# Altium PCB PCB1.PcbDoc (part 1 of 9) (continued)
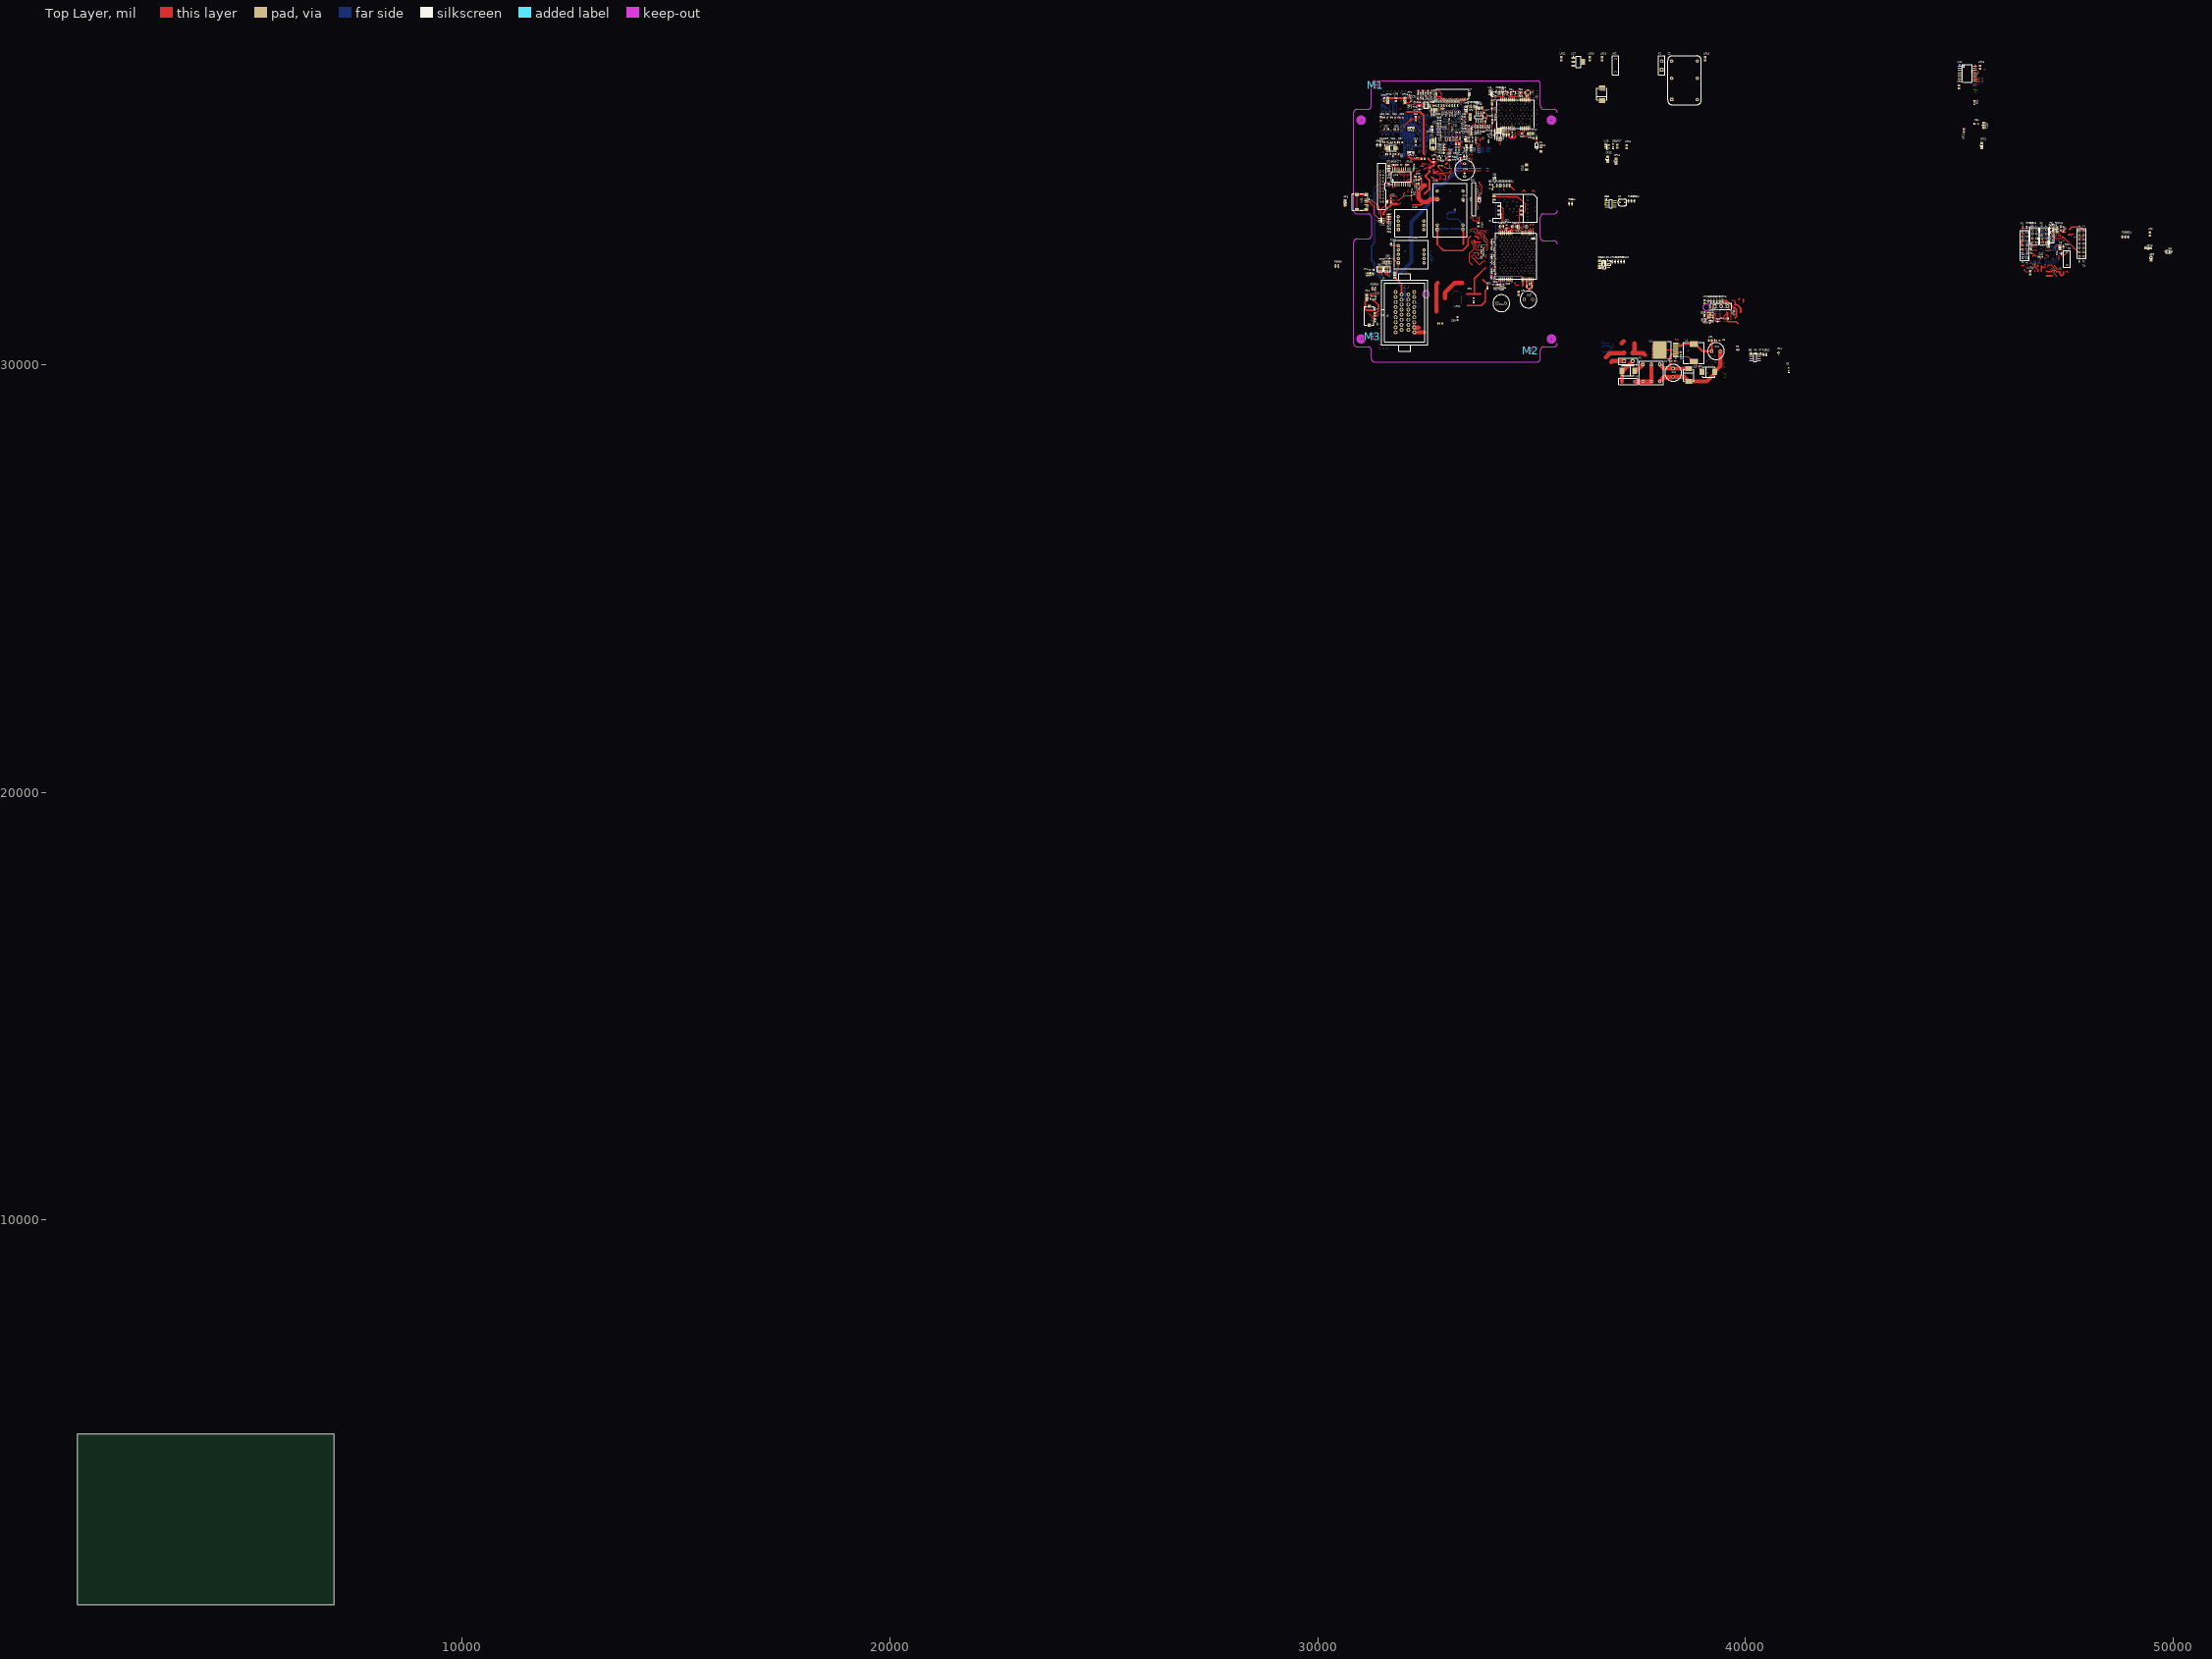
[diagram p0: Top Layer view]
## Components (designator, comment, footprint, x,y, rotation, side; value= is the part's Value field where it differs from the comment) (continued)
CP7 "TAJA106K016RNJ" 3216[1206]CB 33481.56,35072.43 r270 top
CP8 "TAJA106K016RNJ" 3216[1206]CB 47087.02,32830.46 r270 top
CP9 "TAJA106K016RNJ" 3216[1206]CB 49490,32501.22 r90 top
CP10 "TAJA106K016RNJ" 3216[1206]CB 49423,32736 r180 top
CP11 "TAJA106K016RNJ" 3216[1206]CB 34970.76,35413.53 r0 top
CP12 "TAJA106K016RNJ" 3216[1206]CB 34416.62,35385.97 r180 top
CP13 "TAJA106K016RNJ" 3216[1206]CB 32181.75,35539.28 r0 top
CP14 "TAJA106K016RNJ" 3216[1206]CB 32178.43,34960.77 r0 top
CP15 "TAJA106K016RNJ" 3216[1206]CB 32045.56,36192.07 r270 top
CP16 "TAJA106K016RNJ" 3216[1206]CB 31640.05,36191.09 r270 top
CP17 "TAJA106K016RNJ" 3216[1206]CB 31234.54,32134 r180 top
CP18 "TAJA106K016RNJ" 3216[1206]CB 33783.5,36010.2 r180 top
CP19 "TAJA106K016RNJ" 3216[1206]CB 31667.58,34596.05 r270 top
CP20 "TAJA106K016RNJ" 3216[1206]CB 31616.43,32398.76 r180 top
CP21 "TAJA106K016RNJ" 3216[1206]CB 45582,35605 r270 top
CP22 "TAJA106K016RNJ" 3216[1206]CB 45531.76,35136.65 r90 top
CP23 "TAJA106K016RNJ" 3216[1206]CB 36781,34815 r90 top
CP24 "TAJA106K016RNJ" 3216[1206]CB 36976,34762 r90 top
CP25 "10uF/16V" 3216[1206] 35222.72,35048.37 r270 top
CP26 "10uF/16V" 3216[1206] 34884.14,34622.19 r270 top
CT1 "TAJC107K016RNJ" 6032[2312]CC 32700.06,35159.04 r270 top
CT2 "TAJC107K016RNJ" 6032[2312]CC 31723.68,35071.44 r0 top
CT3 "TAJC107K016RNJ" 6032[2312]CC 34217.8,35393.84 r270 top
CT4 "TAJC107K016RNJ" 6032[2312]CC 34277.84,35392.86 r270 top
CV1 "EEU-FM1H271" CAPPR5-10X20/H1.1 38314.69,29816.87 r270 top
CV2 "EEU-FM1V221" CAPPR5-10X20/H1.1 39316.65,30322.77 r0 top
CV3 "EEUFC1A122" CAPPR5-10X20/H1.1 34931.39,31530.65 r0 top
CV4 "EEU-FM1H271" CAPPR5-10x20/H1.1 34296.54,31443.06 r0 top
D1 "IN5408" DO-214AB/SMC 37267.95,29865.65 r0 top
D2 "SS36-E3/57T" DO-214AB/SMC 39137.95,29835.65 r180 top
D3 "SMCJ48A-E3/57T" DO-214AB/SMC 38677.88,29766.67 r90 top
D4 "1N4148W-V-GS08" SOD123 35128.24,35133.02 r270 top
D5 "1N4148W-V-GS08" SOD123 49901,32652 r0 top
D6 "1N4148W-V-GS08" SOD123 34304.48,31805.26 r0 top
D7 "1N4148W-V-GS08" SOD123 33787.62,33867.7 r90 top
D8 "1N4148W-V-GS08" SOD123 34143.98,34340.69 r90 top
D11 "1N4148W-V-GS08" SOD123 36690.17,32365.12 r90 top
D12 "IN5408" DO-214AB/SMC 36651,36330 r270 top
F1 "72R090XU" FUS-0.2#1 37267.95,30090.65 r0 top
F2 "60R090XU" FUS-0.2#2 38049.62,37004.44 r90 top
J1 "2-6447232-3" 2-6447232-3 32041.62,31232.7 r270 top locked
J2 "MHF Plug" MHF[MCB3]-V4 34954.02,31837.74 r180 top
J3 "MUP-C745" MUP-C745 34236.5,33514.91 r90 top
J4 "MHF Plug" MHF[MCB3]-V4 34916.62,36360.38 r0 top
J5 "JTAG" IDC20S 31541.6,33822.43 r270 top
J6 "1-1734592-6" FFC/SM0.5-2H16 31273.91,31153.69 r270 top
J7 "FFC33" FFC/SM0.5-2H33 33156.62,36269.7 r180 top
L1 "B82477P4683M000" INDP125125X85N 38798.94,30284.39 r90 top
LR1 "MPZ2012S221A" 2012[0805] 39183.78,30575.73 r180 top
LR2 "MPZ2012S221A" 2012[0805] 32718.76,34778.14 r90 top
LR3 "MPZ2012S221A" 2012[0805] 49465,33064 r90 top
LR4 "MPZ2012S221A" 2012[0805] 46665.25,32157.9 r90 top
LR5 "MPZ2012S221A" 2012[0805] 34697.13,31675.34 r90 top
LR6 "MPZ2012S221A" 2012[0805] 35085.91,35308.21 r180 top
LR7 "MPZ2012S221A" 2012[0805] 32464.85,34821.99 r180 top
LR8 "MPZ2012S221A" 2012[0805] 31834.93,36204.87 r90 top
LR9 "MPZ2012S221A" 2012[0805] 33707.9,36009.45 r90 top
LR10 "MPZ2012S221A" 2012[0805] 33756.19,33283.61 r270 top
LR11 "MPZ2012S221A" 2012[0805] 33271.62,31082.7 r90 top
LR12 "MPZ2012S221A" 2012[0805] 45110,35484 r90 top
LR13 "MPZ2012S221A" 2012[0805] 45488.93,36962.13 r90 top
LR14 "MPZ2012S221A" 2012[0805] 44996.49,36505.12 r90 top
LR16 "MPZ2012S221A" 2012[0805] 37222,35107 r90 top
LR17 "MPZ2012S221A" 2012[0805] 37010.53,35116.13 r90 top
LR18 "MPZ2012S221A" 2012[0805] 39066.62,37162.44 r90 top
LR19 "MPZ2012S221A" 2012[0805] 36651.62,37162.44 r90 top
LR20 "MPZ2012S221A" 2012[0805] 36361.62,37162.44 r90 top
LR21 "MPZ2012S221A" 2012[0805] 35694.62,37162.44 r90 top
LRN1 "MPZ2012S221A" 2012[0805] 39052.55,31479.36 r90 top
M1 "MARK" MARK 31364,36547 r0 top
M2 "MARK" MARK 34983.55,30328.88 r0 top
M3 "MARK" MARK 31291.62,30668.85 r0 top
P1 "0-281272-1" HDR2X7 47816.35,33137.54 r270 top
P2 "Header 4X2" HDR2X4 46815.27,32862.87 r90 top
P3 "Header 4" HDR1X4 47171.01,32910.26 r90 top
P4 "0-281272-1" HDR2X7 46587.39,32501.22 r90 top
P5 "Header 4X2" HDR2X4 47043.14,32862.87 r90 top
Q1 "2N3904" SOT23_N 34071.31,34165.18 r0 top
Q2 "PDTC143ET,235" SOT23_N 34128.24,32870.22 r90 bottom
Q3 "PDTC143ET,235" SOT23_N 34128.24,32526.72 r90 bottom
Q4 "PDTC143ET,235" SOT23_N 34128.24,32187.15 r90 bottom
Q5 "2N3904" SOT23_N 34071.31,34165.18 r0 top
Q6 "PDTC143ET,235" SOT23_N 34120.36,36337.74 r180 top
Q7 "PDTC143ET,235" SOT23_N 34095.76,35429.28 r180 top
Q8 "MMBT3906LT1G" SOT23_N 34578.04,36362.35 r90 top
Q9 "MMBT3906LT1G" SOT23_N 34397.92,36365.3 r90 top
Q10 "SI2302CDS-T1-E3" SOT23_N 33298.49,34883.02 r180 top
Q11 "SI2302CDS-T1-E3" SOT23_N 31296.54,31567.07 r270 top
Q14 "2N3904" SOT23_N 36826.32,32386.83 r0 top
R1 "CRCW06031K00FKEA" 1608[0603]R 38048.94,30285.37 r0 bottom
R2 "CRCW06031M00FKEA" 1608[0603]R 37975.12,30105.25 r0 bottom
R3 "CRCW06031K00FKEA" 1608[0603]R 37944.61,30189.9 r90 bottom
R4 "CRCW0603100KFKEA" 1608[0603]R 37862.91,30105.25 r0 bottom
R5 "CRCW0603100KFKEA" 1608[0603]R 40131.45,30268.78 r0 top
R6 "CRCW060315K0FKEA" 1608[0603]R 40249.87,30268.78 r0 top
R7 "CRCW060315K0FKEA" 1608[0603]R 40368.3,30268.78 r0 top
R8 "CRCW06031M00FKEA" 1608[0603]R 39839.56,29784.61 r90 bottom
R9 "CRCW0603249KFKEA" 1608[0603]R 39826.29,30358.22 r0 top
R10 "CRCW060315K0FKEA" 1608[0603]R 40425.07,30243.19 r90 top
R11 "CRCW060310K0FKEA" 1608[0603]R 40780.11,30278.28 r90 top
R12 "CRCW060310K0FKEA" 1608[0603]R 40492.32,30243.19 r90 top
R13 "CRCW060310K0FKEA" 1608[0603]R 32926.46,35996.2 r180 top
R14 "CRCW0603300KFKEA" 1608[0603]R 34001.24,35232.11 r90 top
R15 "CRCW060310K0FKEA" 1608[0603]R 32637.25,36055.68 r90 top
R16 "CRCW060310K0FKEA" 1608[0603]R 47201.2,33159.2 r270 top
R17 "CRCW06031K00FKEA" 1608[0603]R 46591.57,33214.98 r90 top
R18 "CRCW06031K00FKEA" 1608[0603]R 46726.06,33214.98 r90 top
R19 "CRCW06031K00FKEA" 1608[0603]R 46658.81,33214.98 r90 top
R20 "CRCW06031K00FKEA" 1608[0603]R 48823.54,32995.87 r90 top
R21 "CRCW06031K00FKEA" 1608[0603]R 48890.78,32995.87 r90 top
R22 "CRCW06030000ZSTA" 1608[0603]R 47428.56,32836.36 r180 bottom
R23 "CRCW06030000ZSTA" 1608[0603]R 47428.56,32770.42 r180 bottom
R24 "CRCW0603300KFKEA" 1608[0603]R 48958.03,32995.87 r90 top
R25 "CRCW06031M00FKEA" 1608[0603]R 47400.02,32604.08 r270 top
R26 "CRCW06031M00FKEA" 1608[0603]R 47440.37,32758.61 r90 top
R27 "CRCW060310K0FKEA" 1608[0603]R 33588.87,35387.94 r180 top
R28 "CRCW060310K0FKEA" 1608[0603]R 33588.87,35561.17 r180 top
R29 "CRCW060310K0FKEA" 1608[0603]R 33588.87,35503.43 r180 top
R30 "CRCW060310K0FKEA" 1608[0603]R 33588.87,35445.68 r0 top
R31 "CRCW060322R0FKEA" 1608[0603]R 33907.76,34638.92 r180 bottom
R32 "CRCW060322R0FKEA" 1608[0603]R 33907.76,34505.06 r180 bottom
R33 "CRCW06031K00FKEA" 1608[0603]R 34292.41,34196.68 r90 top
R34 "CRCW06031K00FKEA" 1608[0603]R 34494.14,34196.68 r90 top
R35 "CRCW060310K0FKEA" 1608[0603]R 34426.9,34196.68 r90 top
R36 "CRCW060310K0FKEA" 1608[0603]R 34359.65,34196.68 r90 top
R37 "CRCW06030000ZSTA" 1608[0603]R 34899.89,33236.36 r270 top
R38 "CRCW060310K0FKEA" 1608[0603]R 34075.09,32725.54 r270 top
R39 "CRCW060310K0FKEA" 1608[0603]R 34076.07,32394.83 r270 top
R40 "CRCW060310K0FKEA" 1608[0603]R 34074.1,32048.37 r270 top
R41 "CRCW060310K0FKEA" 1608[0603]R 34193.67,34196.68 r90 top
R42 "CRCW060310K0FKEA" 1608[0603]R 34260.91,34196.68 r90 top
R43 "CRCW0603100KFKEA" 1608[0603]R 34153.83,31805.26 r180 top
R44 "CRCW060322R0FKEA" 1608[0603]R 34557.37,33236.36 r90 top
R45 "CRCW060322R0FKEA" 1608[0603]R 34340.83,33236.36 r90 top
R46 "CRCW060322R0FKEA" 1608[0603]R 34266.03,33236.36 r90 top
R47 "CRCW060310K0FKEA" 1608[0603]R 34082.96,35993.25 r270 top
R48 "CRCW060310K0FKEA" 1608[0603]R 34082.93,35832.95 r90 top
R49 "CRCW0603100KFKEA" 1608[0603]R 34787.69,35408.61 r270 top
R50 "CRCW06031K00FKEA" 1608[0603]R 33976.82,31803.96 r90 top
R51 "CRCW06031K00FKEA" 1608[0603]R 34188.72,36387.9 r90 top
R52 "CRCW060310K0FKEA" 1608[0603]R 34255.97,36387.9 r90 top
R53 "CRCW060322R0FKEA" 1608[0603]R 34741.43,36321.01 r180 top
R54 "CRCW060310K0FKEA" 1608[0603]R 34323.21,36387.9 r90 top
R55 "CRCW060310K0FKEA" 1608[0603]R 34741.43,36387.94 r180 top
R56 "CRCW0603100KFKEA" 1608[0603]R 34279.81,36365.3 r270 top
R57 "CRCW060310K0FKEA" 1608[0603]R 39054.36,31072.2 r180 top
R58 "CRCW060310K0FKEA" 1608[0603]R 39055.35,31021.02 r180 top
R59 "CRCW0603100KFKEA" 1608[0603]R 39202.79,31501.02 r90 top
R60 "CRCW06031M00FKEA" 1608[0603]R 39135.54,31501.02 r90 top
R61 "CRCW060310K0FKEA" 1608[0603]R 39270.03,31501.02 r90 top
R62 "CRCW06031K00FKEA" 1608[0603]R 39356.53,31022 r0 top
R63 "CRCW06031M00FKEA" 1608[0603]R 35884.25,33772.67 r90 top
R64 "CRCW06031K00FKEA" 1608[0603]R 35951.49,33772.67 r90 top
R65 "CRCW0603300KFKEA" 1608[0603]R 31665.61,33349 r0 top
R66 "CRCW060322R0FKEA" 1608[0603]R 31665.61,33407.07 r180 top
R67 "CRCW060322R0FKEA" 1608[0603]R 31665.61,33466.13 r180 top
R68 "CRCW06031K00FKEA" 1608[0603]R 31665.61,33524.2 r0 top
R69 "CRCW060310K0FKEA" 1608[0603]R 32351.64,36234.55 r270 top
R70 "CRCW060310K0FKEA" 1608[0603]R 32581.48,36234.55 r270 top
R71 "CRCW060310K0FKEA" 1608[0603]R 32462.88,36234.55 r270 top
R72 "CRCW060310K0FKEA" 1608[0603]R 32148.91,36307.23 r0 top
R73 "CRCW060310K0FKEA" 1608[0603]R 32148.91,36073.96 r0 top
R74 "CRCW060322R0FKEA" 1608[0603]R 32375.28,35981.44 r0 top
R75 "CRCW060322R0FKEA" 1608[0603]R 32375.28,36059.69 r0 top
R76 "CRCW06030000ZSTA" 1608[0603]R 33412,33851 r90 top
R77 "CRCW060322R0FKEA" 1608[0603]R 33487.46,34872.62 r270 top
R78 "CRCW060310K0FKEA" 1608[0603]R 33423.51,34872.19 r90 top
R79 "CRCW060310K0FKEA" 1608[0603]R 33087.86,34790.93 r180 top
R80 "CRCW060322R0FKEA" 1608[0603]R 33087.86,34878.04 r0 top
R81 "CRCW060310K0FKEA" 1608[0603]R 31393.16,35142.54 r90 top
R82 "CRCW060310K0FKEA" 1608[0603]R 32945.14,35087.85 r0 top
R83 "CRCW060310K0FKEA" 1608[0603]R 32945.14,34961.21 r0 top
R84 "CRCW060310K0FKEA" 1608[0603]R 32945.14,35151.17 r0 top
R85 "CRCW060310K0FKEA" 1608[0603]R 32945.14,35024.53 r0 top
R86 "CRCW06031K00FKEA" 1608[0603]R 31460.4,35142.54 r90 top
R87 "CRCW06031K00FKEA" 1608[0603]R 30416.11,32314.79 r90 top
R88 "CRCW06031K00FKEA" 1608[0603]R 30483.35,32314.79 r90 top
R89 "CRCW0603120RFKEA" 1608[0603]R 33087.86,34965.14 r180 top
R90 "CRCW06031K00FKEA" 1608[0603]R 33692.15,36031.1 r90 top
R91 "CRCW06031K00FKEA" 1608[0603]R 31684.34,34234.39 r270 top
R92 "CRCW060322R0FKEA" 1608[0603]R 31277.46,31785.26 r90 top
R93 "CRCW060310K0FKEA" 1608[0603]R 31344.7,31785.26 r90 top
R94 "CRCW06031K00FKEA" 1608[0603]R 33862.98,35576.14 r90 top
R95 "CRCW06031K00FKEA" 1608[0603]R 33744.38,35576.14 r90 top
R96 "CRCW060322R0FKEA" 1608[0603]R 33803.68,35576.14 r270 top
R97 "CRCW060322R0FKEA" 1608[0603]R 33685.08,35576.14 r270 top
R98 "CRCW060310K0FKEA" 1608[0603]R 33922.28,35576.14 r90 top
R99 "CRCW060310K0FKEA" 1608[0603]R 31781.75,34680.69 r180 top
R100 "CRCW060310K0FKEA" 1608[0603]R 32089.83,34682.66 r180 top
R101 "CRCW0603120RFKEA" 1608[0603]R 32392.02,31408.61 r270 bottom
R102 "CRCW060310K0FKEA" 1608[0603]R 32245.34,34570.46 r90 top
R103 "CRCW060310K0FKEA" 1608[0603]R 31721.74,32825.93 r270 top
R104 "CRCW06031K00FKEA" 1608[0603]R 32622.33,32687.15 r180 bottom
R105 "CRCW060322R0FKEA" 1608[0603]R 32622.33,32587.08 r180 bottom
R106 "CRCW0603120RFKEA" 1608[0603]R 32394.97,31172.39 r270 bottom
R107 "CRCW060322R0FKEA" 1608[0603]R 32622.33,32487.02 r180 bottom
R108 "CRCW06031K00FKEA" 1608[0603]R 32622.33,32386.95 r180 bottom
R117 "CRCW0603100KFKEA" 1608[0603]R 36963.99,32418.33 r90 top
R118 "CRCW0603120RFKEA" 1608[0603]R 36896.74,32418.33 r90 top
R119 "CRCW060315K0FKEA" 1608[0603]R 37031.23,32418.33 r90 top
R120 "CRCW060310KFKEA" 1608[0603]R 37165.72,32418.33 r90 top
R121 "CRCW06031K00FKEA" 1608[0603]R 37098.48,32418.33 r90 top
R122 "CRCW060315K0FKEA" 1608[0603]R 37273.86,33836.09 r90 top
R123 "CRCW060310K0FKEA" 1608[0603]R 37341.1,33836.09 r90 top
R124 "CRCW060310K0FKEA" 1608[0603]R 37408.35,33836.09 r90 top
RA1 "CRA06S08322R0JTA" R-AR4 33906.78,35048.37 r270 bottom
RA3 "CRA06S08322R0JTA" R-AR4 32471.11,35801.43 r270 bottom
RA4 "CRA06S08322R0JTA" R-AR4 32471.11,35634.37 r270 bottom
RA5 "CRA06S08322R0JTA" R-AR4 32471.11,35467.31 r270 bottom
RA6 "CRA06S08322R0JTA" R-AR4 32471.11,35300.25 r270 bottom
RA7 "CRA06S08322R0JTA" R-AR4 32471.11,35133.19 r270 bottom
RA8 "CRA06S08322R0JTA" R-AR4 32471.11,34966.13 r270 bottom
RA9 "CRA06S08322R0JTA" R-AR4 32540.64,36075.93 r270 top
RA10 "CRA06S08310K0JTA" R-AR4 31628.24,32244.24 r180 top
RA11 "CRA06S08310K0JTA" R-AR4 31459.93,32244.24 r180 top
RD1 "CRCW06030000ZSTA" 1608[0603]RD 32829.46,36067.11 r90 top
RD2 "CRCW06030000ZSTA" 1608[0603]RD 32892.89,36067.11 r90 top
RD3 "CRCW06030000ZSTA" 1608[0603]RD 32702.59,36067.11 r90 top
RD4 "CRCW06030000ZSTA" 1608[0603]RD 32766.02,36067.11 r90 top
RD5 "CRCW06030000ZSTA" 1608[0603]RD 32956.32,36067.11 r90 top
RD6 "CRCW06030000ZSTA" 1608[0603]RD 33210.06,36067.11 r90 top
RD7 "CRCW06030000ZSTA" 1608[0603]RD 33273.49,36067.11 r90 top
RD8 "CRCW06030000ZSTA" 1608[0603]RD 33146.62,36067.11 r90 top
RD9 "CRCW06030000ZSTA" 1608[0603]RD 33019.76,36067.11 r90 top
RD10 "CRCW06030000ZSTA" 1608[0603]RD 33083.19,36067.11 r90 top
RF1 "0805L050WR" 2012[0805]F 31807.37,32100.54 r270 top
RF2 "0805L050WR" 2012[0805]F 47284.95,33173.58 r90 top
RF3 "0805L050WR" 2012[0805]F 30643,33786 r270 top
RF4 "0805L050WR" 2012[0805]F 31150.87,31573.96 r90 top
RN1 "CRCW06031M00FKEA" 1608[0603]RN 46912.81,33293.06 r180 bottom
RN2 "CRCW060310K0FKEA" 1608[0603]RN 33591.28,36044.55 r90 top
RN3 "CRCW060310K0FKEA" 1608[0603]RN 33524.04,36044.55 r90 top
RN4 "CRCW060310K0FKEA" 1608[0603]RN 33725.77,36044.55 r90 top
RN5 "CRCW060310K0FKEA" 1608[0603]RN 33658.53,36044.55 r90 top
RN6 "CRCW060310K0FKEA" 1608[0603]RN 39471.77,31501.02 r90 top
RN7 "CRCW060310K0FKEA" 1608[0603]RN 39404.52,31501.02 r90 top
RN8 "CRCW060310K0FKEA" 1608[0603]RN 39337.28,31501.02 r90 top
RN9 "CRCW060322R0FKEA" 1608[0603]RN 32375.28,36137.94 r0 top
RN10 "CRCW06030000ZSTA" 1608[0603]RN 32670.56,36396.8 r90 top
RN11 "CRCW06030000ZSTA" 1608[0603]RN 32673.51,36237.35 r90 top
RN12 "CRCW060322R0FKEA" 1608[0603]RN 33877.03,35456.61 r180 top
S1 "SW-420" SW-420 47526,32484 r270 top
S2 "GM4526" GM4526 37127.68,33802.63 r0 top
U1 "LM2676S-5.0/NOPB" TS7B_N 38137.95,30350.65 r180 top
U2 "MAX931ESA" NSO8_N 40231.84,30174.1 r0 top
U3 "S3C2440X" BGA289 33126.24,35581.29 r270 bottom locked
U4 "MSP430F5438IPZ" TQFP100_N 46894.11,32743.84 r180 bottom
U5 "AS1360-33-T" SOT23_N 47423.69,33183.49 r0 top
U6 "M72-D" M72D 34642.02,32546.4 r270 top
U7 "SMF05CT1G" SOT363-6N 34680.4,33229.47 r180 top
U8 "LP5951MF-3.3/NOPB" MF05A_N 34064.39,36355.42 r0 top
U9 "EB-5662RE" EB-5662RE 34607.57,35868.25 r270 top
U10 "BQ24073TRGTT" BQ24073 39192.16,31173.57 r270 top
U11 "USBLC6-2SC6" SOT26A-6N 31496.32,33385.42 r180 top
U12 "K4S561632C-TC75 (32MB)" TSOP80P1180X120-54N 31887.75,35652.28 r270 bottom
U13 "K4S561632C-TC75 (32MB)" TSOP80P1180X120-54N 31884.75,35069.28 r270 bottom
U14 "HY27UF082G2B" TSOP48 31864.92,36200.01 r180 bottom locked
U15 "SD1209T3-A1" SPEAKER 33439.26,34560.18 r90 top locked
U16 "MAX811LEUS+T" SOT143_N 32951.05,34840.14 r90 top
U17 "AT24C64D-SSHM-T" SOIC8_N 33780.55,35798.58 r270 top
U18 "MCP2515-E/SO" SOIC18W_N 31957.94,34401.17 r90 top
U19 "CTM1051LA" DIP-7(8)W 32187.27,33315.54 r0 top
U20 "RSM485E" DIP-9(10)W 32189.23,32587.19 r0 top
U21 "ADUM2401ARWZ" SOIC16W_N 45193.34,36814.49 r0 top
U23 "MAX706TESA" NSO8_N 36703.51,32349.24 r0 top
U24 "MAX931ESA" NSO8_N 36855.51,33767 r0 top
U25 "LP5951MFX-1.3/NOPB" MF05A_N 36771.71,35105.31 r0 top
U26 "VRD240512MP-8W" DIP-7(24)W 33099,33619 r90 top
U27 "LM1117MPX-3.3/NOPB" MP04A_N 36098.62,37089.44 r0 top
US1 "USB-B" USB/SM0.8-6H5 30830.99,33808.21 r180 top
VR1 "MOV-10D390K" RAD-0.3 37267.95,29610.65 r0 top
VR2 "MOV-10D390K" RAD-0.3 36970.62,37004.44 r90 top
X1 "FC-135 32.7680KA-A" FC-135 33466.79,35279.12 r270 top
X2 "FA-238 16.0000MB-C3" FA-238 33091.79,35118.69 r90 bottom
X3 "FC-135 32.7680KA-A" FC-135 47358.68,32752.7 r90 top
X4 "FA-238 16.0000MB-C3" FA-238 46909.86,33179.87 r180 bottom
X5 "FA-238 16.0000MB-C3" FA-238 32337.86,34284.04 r270 top
Z1 "CXDA1-2-100" CXDA1-2-100 37607.95,30010.65 r270 top
Z2 "CXDC2-3-100" DIP-6(20)W 38578.62,36656.44 r0 top

## Footprints (in the part's own frame and the unit in brackets; to place one, negate y for a bottom-side part, rotate by r counter-clockwise, add the part's x,y. Pads: shape width x height; smd on the part's side, far side on the other; paste and mask are expansions set on the pad)
2-6447232-3 [mm]
  round 2.3 hole 1.3: 1(11.982,-5.5) 2(8.982,-5.5) 3(5.982,-5.5) 4(2.982,-5.5) 5(-0.018,-5.5) 6(-3.018,-5.5) 7(-6.018,-5.5) 8(-9.018,-5.5) 9(-12.018,-5.5) 10(10.482,-2) 11(7.482,-2) 12(4.482,-2) 13(1.482,-2) 14(-1.518,-2) 15(-4.518,-2) 16(-7.518,-2) 17(-10.518,-2) 18(10.482,2) 19(7.482,2) 20(4.482,2) 21(1.482,2) 22(-1.518,2) 23(-4.518,2) 24(-7.518,2) 25(-10.518,2) 26(11.982,5.5) 27(8.982,5.5) 28(5.982,5.5) 29(2.982,5.5) 30(-0.018,5.5) 31(-3.018,5.5) 32(-6.018,5.5) 33(-9.018,5.5) 34(-12.018,5.5)
  round 2.5 hole 2.5 unplated: ""(-15.153,0.893)
  silkscreen extent -23,-13.98 23,13.46
0805LED [mil]
  rect 45x50 smd: 1(-43.5,0) 2(43.5,0)
  silkscreen extent -5,-20 10,20, body extent -41,-18 41,18, height 33
1005[0402]C [mm] "Chip Capacitor; Body 1.0 x 0.5 mm (LxW typ)"
  rect 0.9x0.7 smd: 1(-0.65,0) 2(0.65,0)
  silkscreen extent -1.4,-0.25 -1.4,0.25
1608[0603] [mm] "Chip  Body 1.6x0.8mm, IPC Medium Density"
  rect 1.1x1 smd: 1(-0.85,0) 2(0.85,0)
  body extent -1.3,-0.5 1.3,0.5, height 0.53
1608[0603]C [mm]
  rect 0.9x1 smd: 1(-0.85,0) 2(0.85,0)
  silkscreen extent -1.7,-0.4 -1.7,0.4, body extent -1.3,-0.5 1.3,0.5, height 0.89
1608[0603]R [mm] "Chip Resistor, Body 1.6x0.8mm, IPC Medium Density"
  rect 0.7x0.9 smd: 1(-0.75,0) 2(0.75,0)
  silkscreen extent -0.2,-0.35 0.2,0.35, body extent -0.77,-0.42 0.78,0.43, height 0.45
1608[0603]RD [mm] "Chip Resistor, Body 1.6x0.8mm, IPC Medium Density"
  rect 0.7x0.9 smd: 1(-0.508,0) 2(0.508,0)
  silkscreen extent -0.15,0 0.13,0, body extent -0.77,-0.42 0.78,0.43, height 0.45
1608[0603]RN [mm] "Chip Resistor, Body 1.6x0.8mm, IPC Medium Density"
  rect 0.7x0.9 smd: 1(-0.75,0) 2(0.75,0)
  silkscreen extent -0.13,-0.38 0.13,0.38, body extent -0.77,-0.42 0.78,0.43, height 0.45
2012[0805] [mm] "Chip  Body 2.0x1.3mm, IPC Medium Density"
  rect 1.2x1.4 smd: 1(-0.9,0) 2(0.9,0)
  body extent -1.07,-0.7 1.07,0.7, height 0.65
2012[0805]F [mm]
  rect 1.6x1.8 smd: 1(-1.4,0) 2(1.4,0)
  silkscreen extent -0.25,-0.89 0.25,0.89, body extent -2.12,-0.9 2.08,0.9, height 0.63
3216[1206] [mm]
  rect 1.6x1.8 smd: 1(-1.4,0) 2(1.4,0)
  body extent -2.1,-0.9 2.1,0.9, height 0.95
3216[1206]C [mm]
  rect 1.6x1.8 smd: 1(-1.4,0) 2(1.4,0)
  silkscreen extent -2.84,-0.8 -2.84,0.8, body extent -2.1,-0.9 2.1,0.9, height 0.95
3216[1206]CB [mm]
  rect 1.6x1.8 smd: 1(-1.4,0) 2(1.4,0)
  silkscreen extent -0.3,-0.8 0.3,0.8, body extent -2.1,-0.9 2.1,0.9, height 0.95
4532[1812]CA [mm] "Chip Capacitor; Body 4.5 x 3.2 mm (LxW typ)"
  rect 1.9x3.4 smd: 1(-1.95,0) 2(1.95,0)
  silkscreen extent -3.49,-1.6 -3.49,1.6
6032[2312]CC [mm]
  rect 2.6x2.2 smd: 1(-2.5,0) 2(2.5,0)
  silkscreen extent -3.92,-1.75 3.15,1.88, body extent -3.13,-1.56 3.05,1.65, height 2.22
BAT_3 [mm]
  rect 2.2x2.2 hole 1.2: 1(0,0)
  round 2.2 hole 1.2: 2(3.81,0) 3(7.62,0)
  silkscreen extent -2.41,-1.91 10.03,1.91
BGA289 [mm] "BGA, 289-Leads, Body 14."
  round 0.4 smd: A1(-6.4,6.4) A2(-5.6,6.4) A3(-4.8,6.4) A4(-4,6.4) A5(-3.2,6.4) A6(-2.4,6.4) A7(-1.6,6.4) A8(-0.8,6.4) A9(0,6.4) A10(0.8,6.4) A11(1.6,6.4) A12(2.4,6.4) A13(3.2,6.4) A14(4,6.4) A15(4.8,6.4) A16(5.6,6.4) A17(6.4,6.4) B1(-6.4,5.6) B2(-5.6,5.6) B3(-4.8,5.6) B4(-4,5.6) B5(-3.2,5.6) B6(-2.4,5.6) B7(-1.6,5.6) B8(-0.8,5.6) B9(0,5.6) B10(0.8,5.6) B11(1.6,5.6) B12(2.4,5.6) B13(3.2,5.6) B14(4,5.6) B15(4.8,5.6) B16(5.6,5.6) B17(6.4,5.6) C1(-6.4,4.8) C2(-5.6,4.8) C3(-4.8,4.8) C4(-4,4.8) C5(-3.2,4.8) C6(-2.4,4.8) C7(-1.6,4.8) C8(-0.8,4.8) C9(0,4.8) C10(0.8,4.8) C11(1.6,4.8) C12(2.4,4.8) C13(3.2,4.8) C14(4,4.8) C15(4.8,4.8) C16(5.6,4.8) C17(6.4,4.8) D1(-6.4,4) D2(-5.6,4) D3(-4.8,4) D4(-4,4) D5(-3.2,4) D6(-2.4,4) D7(-1.6,4) D8(-0.8,4) D9(0,4) D10(0.8,4) D11(1.6,4) D12(2.4,4) D13(3.2,4) D14(4,4) D15(4.8,4) D16(5.6,4) D17(6.4,4) E1(-6.4,3.2) E2(-5.6,3.2) E3(-4.8,3.2) E4(-4,3.2) E5(-3.2,3.2) E6(-2.4,3.2) E7(-1.6,3.2) E8(-0.8,3.2) E9(0,3.2) E10(0.8,3.2) E11(1.6,3.2) E12(2.4,3.2) E13(3.2,3.2) E14(4,3.2) E15(4.8,3.2) E16(5.6,3.2) E17(6.4,3.2) F1(-6.4,2.4) F2(-5.6,2.4) F3(-4.8,2.4) F4(-4,2.4) F5(-3.2,2.4) F6(-2.4,2.4) F7(-1.6,2.4) F8(-0.8,2.4) F9(0,2.4) F10(0.8,2.4) F11(1.6,2.4) F12(2.4,2.4) F13(3.2,2.4) F14(4,2.4) F15(4.8,2.4) F16(5.6,2.4) F17(6.4,2.4) G1(-6.4,1.6) G2(-5.6,1.6) G3(-4.8,1.6) G4(-4,1.6) G5(-3.2,1.6) G6(-2.4,1.6) G7(-1.6,1.6) G8(-0.8,1.6) G9(0,1.6) G10(0.8,1.6) G11(1.6,1.6) G12(2.4,1.6) G13(3.2,1.6) G14(4,1.6) G15(4.8,1.6) G16(5.6,1.6) G17(6.4,1.6) H1(-6.4,0.8) H2(-5.6,0.8) H3(-4.8,0.8) H4(-4,0.8) H5(-3.2,0.8) H6(-2.4,0.8) H7(-1.6,0.8) H8(-0.8,0.8) H9(0,0.8) H10(0.8,0.8) H11(1.6,0.8) H12(2.4,0.8) H13(3.2,0.8) H14(4,0.8) H15(4.8,0.8) H16(5.6,0.8) H17(6.4,0.8) J1(-6.4,0) J2(-5.6,0) J3(-4.8,0) J4(-4,0) J5(-3.2,0) J6(-2.4,0) J7(-1.6,0) J8(-0.8,0) J9(0,0) J10(0.8,0) J11(1.6,0) J12(2.4,0) J13(3.2,0) J14(4,0) J15(4.8,0) J16(5.6,0) J17(6.4,0) K1(-6.4,-0.8) K2(-5.6,-0.8) K3(-4.8,-0.8) K4(-4,-0.8) K5(-3.2,-0.8) K6(-2.4,-0.8) K7(-1.6,-0.8) K8(-0.8,-0.8) K9(0,-0.8) K10(0.8,-0.8) K11(1.6,-0.8) K12(2.4,-0.8) K13(3.2,-0.8) K14(4,-0.8) K15(4.8,-0.8) K16(5.6,-0.8) K17(6.4,-0.8) L1(-6.4,-1.6) L2(-5.6,-1.6) L3(-4.8,-1.6) L4(-4,-1.6) L5(-3.2,-1.6) L6(-2.4,-1.6) L7(-1.6,-1.6) L8(-0.8,-1.6) L9(0,-1.6) L10(0.8,-1.6) L11(1.6,-1.6) L12(2.4,-1.6) L13(3.2,-1.6) L14(4,-1.6) L15(4.8,-1.6) L16(5.6,-1.6) L17(6.4,-1.6) M1(-6.4,-2.4) M2(-5.6,-2.4) M3(-4.8,-2.4) M4(-4,-2.4) M5(-3.2,-2.4) M6(-2.4,-2.4) M7(-1.6,-2.4) M8(-0.8,-2.4) M9(0,-2.4) M10(0.8,-2.4) M11(1.6,-2.4) M12(2.4,-2.4) M13(3.2,-2.4) M14(4,-2.4) M15(4.8,-2.4) M16(5.6,-2.4) M17(6.4,-2.4) N1(-6.4,-3.2) N2(-5.6,-3.2) N3(-4.8,-3.2) N4(-4,-3.2) N5(-3.2,-3.2) N6(-2.4,-3.2) N7(-1.6,-3.2) N8(-0.8,-3.2) N9(0,-3.2) N10(0.8,-3.2) N11(1.6,-3.2) N12(2.4,-3.2) N13(3.2,-3.2) N14(4,-3.2) N15(4.8,-3.2) N16(5.6,-3.2) N17(6.4,-3.2) P1(-6.4,-4) P2(-5.6,-4) P3(-4.8,-4) P4(-4,-4) P5(-3.2,-4) P6(-2.4,-4) P7(-1.6,-4) P8(-0.8,-4) P9(0,-4) P10(0.8,-4) P11(1.6,-4) P12(2.4,-4) P13(3.2,-4) P14(4,-4) P15(4.8,-4) P16(5.6,-4) P17(6.4,-4) R1(-6.4,-4.8) R2(-5.6,-4.8) R3(-4.8,-4.8) R4(-4,-4.8) R5(-3.2,-4.8) R6(-2.4,-4.8) R7(-1.6,-4.8) R8(-0.8,-4.8) R9(0,-4.8) R10(0.8,-4.8) R11(1.6,-4.8) R12(2.4,-4.8) R13(3.2,-4.8) R14(4,-4.8) R15(4.8,-4.8) R16(5.6,-4.8) R17(6.4,-4.8) T1(-6.4,-5.6) T2(-5.6,-5.6) T3(-4.8,-5.6) T4(-4,-5.6) T5(-3.2,-5.6) T6(-2.4,-5.6) T7(-1.6,-5.6) T8(-0.8,-5.6) T9(0,-5.6) T10(0.8,-5.6) T11(1.6,-5.6) T12(2.4,-5.6) T13(3.2,-5.6) T14(4,-5.6) T15(4.8,-5.6) T16(5.6,-5.6) T17(6.4,-5.6) U1(-6.4,-6.4) U2(-5.6,-6.4) U3(-4.8,-6.4) U4(-4,-6.4) U5(-3.2,-6.4) U6(-2.4,-6.4) U7(-1.6,-6.4) U8(-0.8,-6.4) U9(0,-6.4) U10(0.8,-6.4) U11(1.6,-6.4) U12(2.4,-6.4) U13(3.2,-6.4) U14(4,-6.4) U15(4.8,-6.4) U16(5.6,-6.4) U17(6.4,-6.4)
  silkscreen extent -8.02,-7.25 7.25,7.25, body extent -7.25,-7.25 7.25,7.25, height 1.22
BQ24073 [mm]
  oval 0.85x0.3 smd: 1(-1.425,0.75) 2(-1.425,0.25) 3(-1.425,-0.25) 4(-1.425,-0.75) 9(1.425,-0.75) 10(1.425,-0.25) 11(1.425,0.25) 12(1.425,0.75)
  oval 0.3x0.85 smd: 5(-0.75,-1.425) 6(-0.25,-1.425) 7(0.25,-1.425) 8(0.75,-1.425) 13(0.75,1.425) 14(0.25,1.425) 15(-0.25,1.425) 16(-0.75,1.425)
  rect 1.5x1.5 smd: 8(0,0)
  round 0.3 on Top Overlay: 12(-1.27,1.27)
  round 0.25 all layers, no hole: ""(-0.508,0.508) ""(-0.508,-0.508) ""(0,0) ""(0.508,0.508) ""(0.508,-0.508)
  silkscreen extent -1.8,-1.8 1.8,1.8
BR2032-1GV [mm] "CR2032-1GV"
  oval 2.3x1.3 hole 0.5 slot 1.35 at 0 deg: 1(0,0) 1(10.16,0) 2(5.08,3.7)
  rect 1.52x1.524 smd far side: 1(0,-1.524) 1(10.16,-1.524) 2(5.08,5.334)
  silkscreen extent -4.8,0.8 14.99,3.1, body extent -4.93,-0.1 15.09,3.71, height 21.51
CAPPR5-10X20/H1.1 [mm] "Capacitor, Electrolytic, Radial; Body 10 x 20 mm (Dia.xH typ); Pin Spacing 5 mm (typ)"
  rect 1.85x1.85 hole 1.1: 1(-2.5,0)
  round 1.85 hole 1.1: 2(2.5,0)
  silkscreen extent -5,-5 5,5, body extent -5.08,-5.08 5.08,5.05, height 20.32
CAPPR5-10x20/H1.1 [mm] "Capacitor, Electrolytic, Radial; Body 10 x 20 mm (Dia.xH typ); Pin Spacing 5 mm (typ)"
  rect 1.85x1.85 hole 1.1: 1(-2.5,0)
  round 1.85 hole 1.1: 2(2.5,0)
  silkscreen extent -5,-5 5,5, body extent -5.08,-5.08 5.08,5.05, height 20.32
CXDA1-2-100 [mm]
  rect 2x2 hole 0.762: 1(0,0)
  round 2 hole 0.762: 2(0,5) 3(0,10) 4(10,0) 5(10,5) 6(10,10)
  silkscreen extent -2.03,-2.16 11.94,12.19
DIP-6(20)W [mm]
  rect 2x2 hole 0.762: 1(-7.62,-11.43)
  round 2 hole 0.762: 2(-7.62,1.27) 3(-7.62,11.43) 4(7.62,-11.43) 5(7.62,1.27) 6(7.62,11.43)
  silkscreen extent -10.01,-14.5 10.01,14.51, body extent -10,-14.54 10.12,14.48, height 10
DIP-7(8)W [mm] "DIP; 8 Leads; Row Spacing 15.24 mm; Pitch 2.54 mm"
  rect 2x2 hole 0.889: 1(-7.62,-3.81)
  round 2 hole 0.889: 2(-7.62,-1.27) 3(-7.62,1.27) 4(-7.62,3.81) 6(7.62,1.27) 7(7.62,-1.27) 8(7.62,-3.81)
  silkscreen extent -9.65,-8.13 9.65,8.13, body extent -9.64,-8.12 9.64,8.15, height 7
DIP-7(24)W [mm]
  round 2 hole 0.762: 2(-11.43,-7.62) 3(-8.89,-7.62) 9(6.35,-7.62) 11(11.43,-7.62) 14(11.43,7.62) 16(6.35,7.62) 22(-8.89,7.62)
  rect 2x2 hole 0.762: 23(-11.43,7.62)
  silkscreen extent -15.93,-10.02 15.93,10.02, body extent -15.97,-10.03 15.94,10.05, height 10
DIP-9(10)W [mm] "DIP; 10 Leads; Row Spacing 15.24 mm; Pitch 2.54 mm"
  rect 2x2 hole 0.889: 1(-7.62,-5.08)
  round 2 hole 0.889: 2(-7.62,-2.54) 3(-7.62,0) 4(-7.62,2.54) 5(-7.62,5.08) 7(7.62,2.54) 8(7.62,0) 9(7.62,-2.54) 10(7.62,-5.08)
  silkscreen extent -10,-8.5 10,8.5
DO-214AB/SMC [mil] "DO-214-AB/SMC; 2 C-Bend Leads; Body 7.9 x 5.9 mm, inc. leads (LxW)"
  rect 110x150 smd: 1(-150,0) 2(150,0)
  silkscreen extent -150,-120 130,120, body extent -170,-124 150,124, height 50
EB-5662RE [mm]
  oval 2.5x0.8 smd: 1(8.5,-8.051) 2(8.5,-6.951) 3(8.5,-5.851) 4(8.5,-4.751) 5(8.5,-3.651) 6(8.5,-2.551) 7(8.5,-1.451) 8(8.5,-0.351) 9(8.5,3.449) 10(8.5,4.549) 11(8.5,5.649) 12(8.5,6.749) 13(8.5,7.849) 14(8.5,8.949) 15(-8.5,8.949) 16(-8.5,7.849) 17(-8.5,6.749) 18(-8.5,5.649) 19(-8.5,4.549) 20(-8.5,3.449) 21(-8.5,-0.351) 22(-8.5,-1.451) 23(-8.5,-2.551) 24(-8.5,-3.651) 25(-8.5,-4.751) 26(-8.5,-5.851) 27(-8.5,-6.951) 28(-8.5,-8.051)
  round 1.3 on Top Overlay: 3(5.588,-8.949)
  round 1 on Top Overlay: ""(9.398,-9.33)
  silkscreen extent -8.51,-10.59 8.5,11.81
FA-238 [mm] "Quartz Crystal, SM; Body 3.4 x 2.7 mm (LxW max)"
  rect 1.5x1.2 smd: 1(-1.1,-0.8)
  oct 1.4x1.15 smd: 2(1.1,-0.8) 3(1.1,0.8) 4(-1.1,0.8)
  silkscreen extent -2.03,1.65 -1.78,1.9
FC-135 [mm] "Quartz Crystal, SM; 2 Leads; Body 3.5 x 1.5 x 0.8mm (LxWxH)"
  rect 1x1.8 smd: 1(-1.25,0) 2(1.25,0)
  silkscreen extent -0.51,-0.64 0.51,0.64
FFC/SM0.5-2H16 [mm]
  rect 0.3x1.3 smd: 1(-3.75,1.625) 2(-3.25,1.625) 3(-2.75,1.625) 4(-2.25,1.625) 5(-1.75,1.625) 6(-1.25,1.625) 7(-0.75,1.625) 8(-0.25,1.625) 9(0.25,1.625) 10(0.75,1.625) 11(1.25,1.625) 12(1.75,1.625) 13(2.25,1.625) 14(2.75,1.625) 15(3.25,1.625) 16(3.75,1.625)
  rect 1.8x2.2 smd: 17(-5.65,-1.625) 18(5.65,-1.625)
  silkscreen extent -5.55,-4.62 5.55,1.75, body extent -5.55,-4.62 5.55,0.97, height 2
FFC/SM0.5-2H33 [mm]
  rect 0.3x1.3 smd: 1(-8,1.625) 2(-7.5,1.625) 3(-7,1.625) 4(-6.5,1.625) 5(-6,1.625) 6(-5.5,1.625) 7(-5,1.625) 8(-4.5,1.625) 9(-4,1.625) 10(-3.5,1.625) 11(-3,1.625) 12(-2.5,1.625) 13(-2,1.625) 14(-1.5,1.625) 15(-1,1.625) 16(-0.5,1.625) 17(0,1.625) 18(0.5,1.625) 19(1,1.625) 20(1.5,1.625) 21(2,1.625) 22(2.5,1.625) 23(3,1.625) 24(3.5,1.625) 25(4,1.625) 26(4.5,1.625) 27(5,1.625) 28(5.5,1.625) 29(6,1.625) 30(6.5,1.625) 31(7,1.625) 32(7.5,1.625) 33(8,1.625)
  rect 1.8x2.2 smd: 34(-9.9,-1.625) 35(9.9,-1.625)
  silkscreen extent -9.8,-4.63 9.8,1.75, body extent -9.8,-4.62 9.8,0.97, height 2
FUS-0.2#1 [mm]
  rect 2.3x2.3 hole 1.2: 1(-2.54,0)
  round 2.5 hole 1.2: 2(2.54,0)
  silkscreen extent -5.71,-1.91 5.71,1.91
FUS-0.2#2 [mm]
  rect 2.2x2.2 hole 1.2: 1(-2.54,0)
  round 2.2 hole 1.2: 2(2.54,0)
  silkscreen extent -5.71,-1.91 5.71,1.91
GM4526 [mm]
  round 1.2 hole 0.7: 1(-1.524,0) 2(1.524,0)
  silkscreen extent -2.5,-2 2.5,2
HDR1X4 [mm] "Connector; Header; 4 Position"
  rect 1.5x1.5 hole 0.9: 1(0,0)
  round 1.5 hole 0.9: 2(2.54,0) 3(5.08,0) 4(7.62,0)
  silkscreen extent -1.27,-1.27 8.89,1.27
HDR2X4 [mm] "Connector; Header; 4x2 Position"
  rect 1.5x1.5 hole 0.9: 1(0,0)
  round 1.5 hole 0.9: 2(0,2.54) 3(2.54,0) 4(2.54,2.54) 5(5.08,0) 6(5.08,2.54) 7(7.62,0) 8(7.62,2.54)
  silkscreen extent -1.27,-1.27 8.89,3.81
HDR2X7 [mm] "Connector; Header; 7x2 Position"
  rect 1.5x1.5 hole 0.9: 1(0,0)
  round 1.5 hole 0.9: 2(0,2.54) 3(2.54,0) 4(2.54,2.54) 5(5.08,0) 6(5.08,2.54) 7(7.62,0) 8(7.62,2.54) 9(10.16,0) 10(10.16,2.54) 11(12.7,0) 12(12.7,2.54) 13(15.24,0) 14(15.24,2.54)
  silkscreen extent -1.27,-1.27 16.51,3.81
IDC20S [mm]
  rect 1.2x1.2 hole 0.7: 1(0.002,0.017)
  round 1.2 hole 0.7: 2(0.002,-1.983) 3(-1.998,0.017) 4(-1.998,-1.983) 5(-3.998,0.017) 6(-3.998,-1.983) 7(-5.998,0.017) 8(-5.998,-1.983) 9(-7.998,0.017) 10(-7.998,-1.983) 11(-9.998,0.017) 12(-9.998,-1.983) 13(-11.998,0.017) 14(-11.998,-1.983) 15(-13.998,0.017) 16(-13.998,-1.983) 17(-15.998,0.017) 18(-15.998,-1.983) 19(-17.998,0.017) 20(-17.998,-1.983)
  silkscreen extent -22.75,-3.48 4.75,2.72, body extent -18.86,-2.84 0.86,0.88
INDP125125X85N [mm]
  rect 3.4x5.2 smd: 1(-5.15,0) 2(5.15,0)
  silkscreen extent -6.25,-6.25 6.25,6.25, body extent -6.11,-6.13 6.19,6.17, height 5.5
M72D [mm]
  oval 2.5x0.7 smd: 1(-13.75,10.1) 2(-13.75,9) 3(-13.75,7.9) 4(-13.75,6.8) 5(-13.75,5.7) 6(-13.75,4.6) 7(-13.75,3.5) 8(-13.75,-2.4) 9(-13.75,-3.5) 10(-13.75,-4.6) 11(-13.75,-5.7) 12(-13.75,-6.8) 13(-13.75,-7.9) 14(-13.75,-9) 15(-13.75,-10.1) 16(13.75,-10.1) 17(13.75,-9) 18(13.75,-7.9) 19(13.75,-6.8) 20(13.75,-5.7) 21(13.75,-4.6) 22(13.75,-3.5) 23(13.75,-2.4) 24(13.75,3.5) 25(13.75,4.6) 26(13.75,5.7) 27(13.75,6.8) 28(13.75,7.9) 29(13.75,9) 30(13.75,10.1)
  silkscreen extent -13.75,-12.15 13.75,12.15
MARK [mm]
  round 1 smd far side paste+0 mask+1: 1(0,0)
  round 1 smd paste+0 mask+1: 1(0,0)
  Keep-Out Layer circle w0.3: c0,0 r1.5
MF05A_N [mm] "SOT23, 5-Leads, Body 2.9x1.6mm, Pitch 0.95mm, Lead Span 2.8mm, IPC Medium Density"
  rect 1.1x0.65 smd: 1(-1.2,0.95) 2(-1.2,0) 3(-1.2,-0.95) 4(1.2,-0.95) 5(1.2,0.95)
  silkscreen extent -1.32,-1.55 0.25,1.95, body extent -0.9,-1.55 0.9,1.55, height 1.19
MHF[MCB3]-V4 [mm] "Connector; RF Coaxial, MCB SM; 4 Position; Vertical, Body 3.1x3.0mm (LxW)"
  rect 0.8x1.5 smd: 1(0,-1.3)
  rect 1x2.2 smd: 2(-1.5,0) 4(1.5,0)
  rect 1x1.1 smd: 3(0,1.55)
  silkscreen extent -1.03,-1.92 -0.78,-1.68, body extent -1.3,-1.3 1.3,1.3, height 1.3
MP04A_N [mm] "SOT223, 4-Leads, Body 6.5x3.5mm, Pitch 2.3mm, Lead Span 7mm, IPC Medium Density"
  rect 2.4x1 smd: 1(-2.9,2.3) 2(-2.9,0) 3(-2.9,-2.3)
  rect 2.4x3.3 smd: 4(2.9,0)
  silkscreen extent -3.02,-3.35 1.4,3.47, body extent -1.85,-3.35 1.85,3.35, height 1.8
MUP-C745 [mm]
  rect 1.2x1.7 smd: 1(0,0) 2(2.54,0) 3(5.08,0) 5(0,-13.5) 6(2.54,-13.5) 7(5.08,-13.5)
  oval 1.2x1.7 on Top Overlay: 3(-3.429,1.397)
  rect 1.2x2 smd: 4(8.88,2.75) 8(10.88,2.75)
  silkscreen extent -4.5,-22.75 12.32,3.3
NSO8_N [mm] "SOIC, 8-Leads, Body 4.9x3.9mm, Pitch 1.27mm, IPC Medium Density"
  oval 2.2x0.6 smd: 1(-2.4,1.905) 2(-2.4,0.635) 3(-2.4,-0.635) 4(-2.4,-1.905) 5(2.4,-1.905) 6(2.4,-0.635) 7(2.4,0.635) 8(2.4,1.905)
  silkscreen extent -2.52,-2.5 0.9,2.88, body extent -2,-2.5 2,2.5, height 1.75
R-AR4 [mil]
  rect 19.68x40 smd: 1(-52.5,-30) 2(-17.5,-30) 3(17.5,-30) 4(52.5,-30) 5(52.5,30) 6(17.5,30) 7(-17.5,30) 8(-52.5,30)
  silkscreen extent -73,-60 71,60, body extent -63,-33 63,30, height 22
RAD-0.3 [mm] "Radial Cap, Thru-Hole; 2 Leads; 0.3 in Pin Spacing"
  round 1.2 hole 0.7: 1(-3.81,0) 2(3.81,0)
  silkscreen extent -5.71,-1.91 5.71,1.91
SOD123 [mm] "SOD-123; 2 Leads; Body 2.7 x 1.6 mm, (LxW)"
  rect 1.6x0.8 smd: 1(-1.7,0) 2(1.7,0)
  silkscreen extent -1.45,-0.85 1.45,0.85
SOIC8_N [mm] "SOIC, 8-Leads, Body 4.9x3.9mm, Pitch 1.27mm, IPC Medium Density"
  oval 2.2x0.6 smd: 1(-2.4,1.905) 2(-2.4,0.635) 3(-2.4,-0.635) 4(-2.4,-1.905) 5(2.4,-1.905) 6(2.4,-0.635) 7(2.4,0.635) 8(2.4,1.905)
  silkscreen extent -2.52,-2.5 0.9,2.88, body extent -3,-2.45 3,2.45, height 1.7
SOIC16W_N [mm] "SOIC, 16-Leads, Body 10.3x7.5mm, Pitch 1.27mm, IPC Low Density"
  oval 2.3x0.6 smd: 1(-4.55,4.445) 2(-4.55,3.175) 3(-4.55,1.905) 4(-4.55,0.635) 5(-4.55,-0.635) 6(-4.55,-1.905) 7(-4.55,-3.175) 8(-4.55,-4.445) 9(4.55,-4.445) 10(4.55,-3.175) 11(4.55,-1.905) 12(4.55,-0.635) 13(4.55,0.635) 14(4.55,1.905) 15(4.55,3.175) 16(4.55,4.445)
  silkscreen extent -4.67,-5.25 3,5.42, body extent -3.75,-5.15 3.75,5.15, height 2.77
SOIC18W_N [mm] "SOIC, 18-Leads, Body 12x7.62mm, Pitch 1.27mm, IPC Medium Density"
  oval 2.3x0.6 smd: 1(-4.55,5.08) 2(-4.55,3.81) 3(-4.55,2.54) 4(-4.55,1.27) 5(-4.55,0) 6(-4.55,-1.27) 7(-4.55,-2.54) 8(-4.55,-3.81) 9(-4.55,-5.08) 10(4.55,-5.08) 11(4.55,-3.81) 12(4.55,-2.54) 13(4.55,-1.27) 14(4.55,0) 15(4.55,1.27) 16(4.55,2.54) 17(4.55,3.81) 18(4.55,5.08)
  silkscreen extent -4.67,-5.9 3,6.05, body extent -3.8,-5.95 3.8,5.95, height 2.65
SOT23_N [mm] "SOT23, 3-Leads, Body 2.9x1.3mm, Pitch 0.95mm, Lead Span 2.3mm, IPC Medium Density"
  rect 1.3x0.6 smd: 1(-1.05,0.95) 2(-1.05,-0.95) 3(1.05,0)
  silkscreen extent -1.17,-1.5 0.7,1.92, body extent -0.7,-1.5 0.7,1.5, height 1.1
SOT26A-6N [mm] "SOT23, 6-Leads, Body 2.9x1.7mm, Pitch 0.95mm, Lead Span 2.8mm, IPC Medium Density"
  rect 1.1x0.65 smd: 1(-1.2,0.95) 2(-1.2,0) 3(-1.2,-0.95) 4(1.2,-0.95) 5(1.2,0) 6(1.2,0.95)
  silkscreen extent -1.33,-1.55 0.25,1.95, body extent -0.9,-1.55 0.9,1.55, height 1.45
SOT143_N [mm]
  rect 1x1.05 smd: 1(-1.125,0.75)
  rect 1x0.65 smd: 2(-1.125,-0.95) 3(1.125,-0.95) 4(1.125,0.95)
  silkscreen extent -1.47,-1.5 0.4,1.95, body extent -0.7,-1.52 0.7,1.52, height 1.2
SOT363-6N [mm] "SOT363, 6-Leads, Body 2x1.3mm, Pitch 0.65mm, Lead Span 2.1mm, IPC Medium Density"
  rect 0.85x0.4 smd: 1(-0.95,0.65) 2(-0.95,0) 3(-0.95,-0.65) 4(0.95,-0.65) 5(0.95,0) 6(0.95,0.65)
  silkscreen extent -1.07,-1.1 0.15,1.52, body extent -0.7,-1.1 0.7,1.1, height 1
SPEAKER [mm]
  oval 1.5x2 hole 1: 1(-3.8,0) 2(3.8,0)
  silkscreen extent -6,-6 6,6, body extent -5.97,-5.97 6.03,6.03, height 9.3
SW-420 [mil]
  round 50 hole 25: 1(-150,0) 2(150,0)
  silkscreen extent -197,-79 197,79